# KiCad board oibus-mini-CCC_PANEL.kicad_pcb (continued)
## Routing (per net, layer and track width the routed paths; a pad name or vN(x,y) marks a point on that pad's centre or on a via; arc(x,y) is an arc through that point) (continued)
/SPI_MISO: length 955.9
  Top w0.2: U8#2.27 60.32,38.26 60.7,37.87 v2(60.7,35.31) ; H2#2.8 57.12,14.26 60.1,17.24 60.1,21.22 59.9,21.42 59.9,22.43 v2(61.25,23.78) ; U8#4.27 97.32,38.26 97.7,37.87 v2(97.7,35.31) ; H2#3.8 94.12,14.26 97.1,17.24 97.1,21.22 96.9,21.42 96.9,22.43 v2(98.25,23.78) ; U8#3.27 134.32,38.26 134.7,37.87 v2(134.7,35.31) ; H2#4.8 131.12,14.26 134.1,17.24 134.1,21.22 133.9,21.42 133.9,22.43 v2(135.25,23.78) ; U8#6.27 171.32,38.26 171.7,37.87 v2(171.7,35.31) ; H2#6.8 168.12,14.26 171.1,17.24 171.1,21.22 170.9,21.42 170.9,22.43 v2(172.25,23.78) ; U8#5.27 208.32,38.26 208.7,37.87 v2(208.7,35.31) ; H2#5.8 205.12,14.26 208.1,17.24 208.1,21.22 207.9,21.42 207.9,22.43 v2(209.25,23.78) ; v2(246.25,23.78) 244.9,22.43 244.9,21.42 245.1,21.22 245.1,17.24 242.12,14.26 H2#7.8 ; U8#7.27 245.32,38.26 245.7,37.87 v2(245.7,35.31) ; U8#8.27 282.32,38.26 282.7,37.87 v2(282.7,35.31) ; H2#8.8 279.12,14.26 282.1,17.24 282.1,21.22 281.9,21.42 281.9,22.43 v2(283.25,23.78) ; U8#13.27 97.32,104.26 97.7,103.87 v2(97.7,101.31) ; H2#13.8 94.12,80.26 97.1,83.24 97.1,87.22 96.9,87.42 96.9,88.43 v2(98.25,89.78) ; U8#11.27 23.32,104.26 23.7,103.87 v2(23.7,101.31) ; H2#9.8 20.12,80.26 23.1,83.24 23.1,87.22 22.9,87.42 22.9,88.43 v2(24.25,89.78) ; v2(172.25,89.78) 170.9,88.43 170.9,87.42 171.1,87.22 171.1,83.24 168.12,80.26 H2#10.8 ; U8#12.27 171.32,104.26 171.7,103.87 v2(171.7,101.31) ; U8#9.27 60.32,104.26 60.7,103.87 v2(60.7,101.31) ; H2#12.8 57.12,80.26 60.1,83.24 60.1,87.22 59.9,87.42 59.9,88.43 v2(61.25,89.78) ; U8#10.27 134.32,104.26 134.7,103.87 v2(134.7,101.31) ; H2#11.8 131.12,80.26 134.1,83.24 134.1,87.22 133.9,87.42 133.9,88.43 v2(135.25,89.78) ; U8#15.27 245.32,104.26 245.7,103.87 v2(245.7,101.31) ; H2#15.8 242.12,80.26 245.1,83.24 245.1,87.22 244.9,87.42 244.9,88.43 v2(246.25,89.78) ; U8#14.27 208.32,104.26 208.7,103.87 v2(208.7,101.31) ; H2#14.8 205.12,80.26 208.1,83.24 208.1,87.22 207.9,87.42 207.9,88.43 v2(209.25,89.78) ; U8#16.27 282.32,104.26 282.7,103.87 v2(282.7,101.31) ; H2#16.8 279.12,80.26 282.1,83.24 282.1,87.22 281.9,87.42 281.9,88.43 v2(283.25,89.78) ; U8#25.27 23.32,236.26 23.7,235.87 v2(23.7,233.31) ; H2#23.8 20.12,212.26 23.1,215.24 23.1,219.22 22.9,219.42 22.9,220.43 v2(24.25,221.78) ; v2(172.25,221.78) 170.9,220.43 170.9,219.42 171.1,219.22 171.1,215.24 168.12,212.26 H2#26.8 ; U8#28.27 171.32,236.26 171.7,235.87 v2(171.7,233.31) ; U8#21.27 60.32,236.26 60.7,235.87 v2(60.7,233.31) ; H2#28.8 57.12,212.26 60.1,215.24 60.1,219.22 59.9,219.42 59.9,220.43 v2(61.25,221.78) ; U8#24.27 134.32,236.26 134.7,235.87 v2(134.7,233.31) ; H2#27.8 131.12,212.26 134.1,215.24 134.1,219.22 133.9,219.42 133.9,220.43 v2(135.25,221.78) ; U8#22.27 97.32,170.26 97.7,169.87 v2(97.7,167.31) ; H2#21.8 94.12,146.26 97.1,149.24 97.1,153.22 96.9,153.42 96.9,154.43 v2(98.25,155.78) ; U8#19.27 23.32,170.26 23.7,169.87 v2(23.7,167.31) ; H2#17.8 20.12,146.26 23.1,149.24 23.1,153.22 22.9,153.42 22.9,154.43 v2(24.25,155.78) ; v2(172.25,155.78) 170.9,154.43 170.9,153.42 171.1,153.22 171.1,149.24 168.12,146.26 H2#18.8 ; U8#20.27 171.32,170.26 171.7,169.87 v2(171.7,167.31) ; U8#17.27 60.32,170.26 60.7,169.87 v2(60.7,167.31) ; H2#20.8 57.12,146.26 60.1,149.24 60.1,153.22 59.9,153.42 59.9,154.43 v2(61.25,155.78) ; U8#29.27 97.32,236.26 97.7,235.87 v2(97.7,233.31) ; H2#29.8 94.12,212.26 97.1,215.24 97.1,219.22 96.9,219.42 96.9,220.43 v2(98.25,221.78) ; U8#18.27 134.32,170.26 134.7,169.87 v2(134.7,167.31) ; H2#19.8 131.12,146.26 134.1,149.24 134.1,153.22 133.9,153.42 133.9,154.43 v2(135.25,155.78) ; U8#26.27 245.32,170.26 245.7,169.87 v2(245.7,167.31) ; H2#24.8 242.12,146.26 245.1,149.24 245.1,153.22 244.9,153.42 244.9,154.43 v2(246.25,155.78) ; U8#23.27 208.32,170.26 208.7,169.87 v2(208.7,167.31) ; H2#22.8 205.12,146.26 208.1,149.24 208.1,153.22 207.9,153.42 207.9,154.43 v2(209.25,155.78) ; U8#27.27 282.32,170.26 282.7,169.87 v2(282.7,167.31) ; H2#25.8 279.12,146.26 282.1,149.24 282.1,153.22 281.9,153.42 281.9,154.43 v2(283.25,155.78) ; U8#30.27 208.32,236.26 208.7,235.87 v2(208.7,233.31) ; H2#30.8 205.12,212.26 208.1,215.24 208.1,219.22 207.9,219.42 207.9,220.43 v2(209.25,221.78) ; v2(246.25,221.78) 244.9,220.43 244.9,219.42 245.1,219.22 245.1,215.24 242.12,212.26 H2#31.8 ; U8#31.27 245.32,236.26 245.7,235.87 v2(245.7,233.31) ; U8#32.27 282.32,236.26 282.7,235.87 v2(282.7,233.31) ; H2#32.8 279.12,212.26 282.1,215.24 282.1,219.22 281.9,219.42 281.9,220.43 v2(283.25,221.78) ; v2(23.7,35.31) 23.7,37.87 23.32,38.26 U8.27 ; v2(24.25,23.78) 22.9,22.43 22.9,21.42 23.1,21.22 23.1,17.24 20.12,14.26 H2.8
  Bottom w0.2: v2(60.7,35.31) 61.12,35.31 61.59,34.85 61.59,33.59 60.6,32.61 60.6,25.2 61.25,24.55 v2(61.25,23.78) ; v2(97.7,35.31) 98.12,35.31 98.59,34.85 98.59,33.59 97.6,32.61 97.6,25.2 98.25,24.55 v2(98.25,23.78) ; v2(134.7,35.31) 135.12,35.31 135.59,34.85 135.59,33.59 134.6,32.61 134.6,25.2 135.25,24.55 v2(135.25,23.78) ; v2(171.7,35.31) 172.12,35.31 172.59,34.85 172.59,33.59 171.6,32.61 171.6,25.2 172.25,24.55 v2(172.25,23.78) ; v2(208.7,35.31) 209.12,35.31 209.59,34.85 209.59,33.59 208.6,32.61 208.6,25.2 209.25,24.55 v2(209.25,23.78) ; v2(246.25,23.78) 246.25,24.55 245.6,25.2 245.6,32.61 246.59,33.59 246.59,34.85 246.12,35.31 v2(245.7,35.31) ; v2(282.7,35.31) 283.12,35.31 283.59,34.85 283.59,33.59 282.6,32.61 282.6,25.2 283.25,24.55 v2(283.25,23.78) ; v2(97.7,101.31) 98.12,101.31 98.59,100.85 98.59,99.59 97.6,98.61 97.6,91.2 98.25,90.55 v2(98.25,89.78) ; v2(23.7,101.31) 24.12,101.31 24.59,100.85 24.59,99.59 23.6,98.61 23.6,91.2 24.25,90.55 v2(24.25,89.78) ; v2(172.25,89.78) 172.25,90.55 171.6,91.2 171.6,98.61 172.59,99.59 172.59,100.85 172.12,101.31 v2(171.7,101.31) ; v2(60.7,101.31) 61.12,101.31 61.59,100.85 61.59,99.59 60.6,98.61 60.6,91.2 61.25,90.55 v2(61.25,89.78) ; v2(134.7,101.31) 135.12,101.31 135.59,100.85 135.59,99.59 134.6,98.61 134.6,91.2 135.25,90.55 v2(135.25,89.78) ; v2(246.25,89.78) 246.25,90.55 245.6,91.2 245.6,98.61 246.59,99.59 246.59,100.85 246.12,101.31 v2(245.7,101.31) ; v2(208.7,101.31) 209.12,101.31 209.59,100.85 209.59,99.59 208.6,98.61 208.6,91.2 209.25,90.55 v2(209.25,89.78) ; v2(282.7,101.31) 283.12,101.31 283.59,100.85 283.59,99.59 282.6,98.61 282.6,91.2 283.25,90.55 v2(283.25,89.78) ; v2(23.7,233.31) 24.12,233.31 24.59,232.85 24.59,231.59 23.6,230.61 23.6,223.2 24.25,222.55 v2(24.25,221.78) ; v2(172.25,221.78) 172.25,222.55 171.6,223.2 171.6,230.61 172.59,231.59 172.59,232.85 172.12,233.31 v2(171.7,233.31) ; v2(60.7,233.31) 61.12,233.31 61.59,232.85 61.59,231.59 60.6,230.61 60.6,223.2 61.25,222.55 v2(61.25,221.78) ; v2(134.7,233.31) 135.12,233.31 135.59,232.85 135.59,231.59 134.6,230.61 134.6,223.2 135.25,222.55 v2(135.25,221.78) ; v2(97.7,167.31) 98.12,167.31 98.59,166.85 98.59,165.59 97.6,164.61 97.6,157.2 98.25,156.55 v2(98.25,155.78) ; v2(23.7,167.31) 24.12,167.31 24.59,166.85 24.59,165.59 23.6,164.61 23.6,157.2 24.25,156.55 v2(24.25,155.78) ; v2(172.25,155.78) 172.25,156.55 171.6,157.2 171.6,164.61 172.59,165.59 172.59,166.85 172.12,167.31 v2(171.7,167.31) ; v2(60.7,167.31) 61.12,167.31 61.59,166.85 61.59,165.59 60.6,164.61 60.6,157.2 61.25,156.55 v2(61.25,155.78) ; v2(97.7,233.31) 98.12,233.31 98.59,232.85 98.59,231.59 97.6,230.61 97.6,223.2 98.25,222.55 v2(98.25,221.78) ; v2(134.7,167.31) 135.12,167.31 135.59,166.85 135.59,165.59 134.6,164.61 134.6,157.2 135.25,156.55 v2(135.25,155.78) ; v2(246.25,155.78) 246.25,156.55 245.6,157.2 245.6,164.61 246.59,165.59 246.59,166.85 246.12,167.31 v2(245.7,167.31) ; v2(208.7,167.31) 209.12,167.31 209.59,166.85 209.59,165.59 208.6,164.61 208.6,157.2 209.25,156.55 v2(209.25,155.78) ; v2(282.7,167.31) 283.12,167.31 283.59,166.85 283.59,165.59 282.6,164.61 282.6,157.2 283.25,156.55 v2(283.25,155.78) ; v2(208.7,233.31) 209.12,233.31 209.59,232.85 209.59,231.59 208.6,230.61 208.6,223.2 209.25,222.55 v2(209.25,221.78) ; v2(246.25,221.78) 246.25,222.55 245.6,223.2 245.6,230.61 246.59,231.59 246.59,232.85 246.12,233.31 v2(245.7,233.31) ; v2(282.7,233.31) 283.12,233.31 283.59,232.85 283.59,231.59 282.6,230.61 282.6,223.2 283.25,222.55 v2(283.25,221.78) ; v2(24.25,23.78) 24.25,24.55 23.6,25.2 23.6,32.61 24.59,33.59 24.59,34.85 24.12,35.31 v2(23.7,35.31)
/SPI_MOSI: length 985
  Top w0.2: H2#2.7 58.27,11.66 58.27,14.84 60.5,17.07 v2(60.5,21.71) ; U8#2.28 59.82,37.76 60.1,37.47 60.1,34.76 v2(60.22,34.64) ; H2#3.7 95.27,11.66 95.27,14.84 97.5,17.07 v2(97.5,21.71) ; U8#4.28 96.82,37.76 97.1,37.47 97.1,34.76 v2(97.22,34.64) ; H2#4.7 132.27,11.66 132.27,14.84 134.5,17.07 v2(134.5,21.71) ; U8#3.28 133.82,37.76 134.1,37.47 134.1,34.76 v2(134.22,34.64) ; H2#6.7 169.27,11.66 169.27,14.84 171.5,17.07 v2(171.5,21.71) ; U8#6.28 170.82,37.76 171.1,37.47 171.1,34.76 v2(171.22,34.64) ; H2#5.7 206.27,11.66 206.27,14.84 208.5,17.07 v2(208.5,21.71) ; U8#5.28 207.82,37.76 208.1,37.47 208.1,34.76 v2(208.22,34.64) ; v2(245.22,34.64) 245.1,34.76 245.1,37.47 244.82,37.76 U8#7.28 ; v2(245.5,21.71) 245.5,17.07 243.27,14.84 243.27,11.66 H2#7.7 ; H2#8.7 280.27,11.66 280.27,14.84 282.5,17.07 v2(282.5,21.71) ; U8#8.28 281.82,37.76 282.1,37.47 282.1,34.76 v2(282.22,34.64) ; H2#13.7 95.27,77.66 95.27,80.84 97.5,83.07 v2(97.5,87.71) ; U8#13.28 96.82,103.76 97.1,103.47 97.1,100.76 v2(97.22,100.64) ; H2#9.7 21.27,77.66 21.27,80.84 23.5,83.07 v2(23.5,87.71) ; U8#11.28 22.82,103.76 23.1,103.47 23.1,100.76 v2(23.22,100.64) ; v2(171.22,100.64) 171.1,100.76 171.1,103.47 170.82,103.76 U8#12.28 ; v2(171.5,87.71) 171.5,83.07 169.27,80.84 169.27,77.66 H2#10.7 ; H2#12.7 58.27,77.66 58.27,80.84 60.5,83.07 v2(60.5,87.71) ; U8#9.28 59.82,103.76 60.1,103.47 60.1,100.76 v2(60.22,100.64) ; H2#11.7 132.27,77.66 132.27,80.84 134.5,83.07 v2(134.5,87.71) ; U8#10.28 133.82,103.76 134.1,103.47 134.1,100.76 v2(134.22,100.64) ; v2(245.22,100.64) 245.1,100.76 245.1,103.47 244.82,103.76 U8#15.28 ; v2(245.5,87.71) 245.5,83.07 243.27,80.84 243.27,77.66 H2#15.7 ; H2#14.7 206.27,77.66 206.27,80.84 208.5,83.07 v2(208.5,87.71) ; U8#14.28 207.82,103.76 208.1,103.47 208.1,100.76 v2(208.22,100.64) ; v2(282.22,100.64) 282.1,100.76 282.1,103.47 281.82,103.76 U8#16.28 ; H2#16.7 280.27,77.66 280.27,80.84 282.5,83.07 v2(282.5,87.71) ; v2(97.22,232.64) 97.1,232.76 97.1,235.47 96.82,235.76 U8#29.28 ; H2#23.7 21.27,209.66 21.27,212.84 23.5,215.07 v2(23.5,219.71) ; U8#25.28 22.82,235.76 23.1,235.47 23.1,232.76 v2(23.22,232.64) ; v2(171.22,232.64) 171.1,232.76 171.1,235.47 170.82,235.76 U8#28.28 ; v2(171.5,219.71) 171.5,215.07 169.27,212.84 169.27,209.66 H2#26.7 ; H2#28.7 58.27,209.66 58.27,212.84 60.5,215.07 v2(60.5,219.71) ; U8#21.28 59.82,235.76 60.1,235.47 60.1,232.76 v2(60.22,232.64) ; H2#27.7 132.27,209.66 132.27,212.84 134.5,215.07 v2(134.5,219.71) ; U8#24.28 133.82,235.76 134.1,235.47 134.1,232.76 v2(134.22,232.64) ; H2#21.7 95.27,143.66 95.27,146.84 97.5,149.07 v2(97.5,153.71) ; U8#22.28 96.82,169.76 97.1,169.47 97.1,166.76 v2(97.22,166.64) ; H2#17.7 21.27,143.66 21.27,146.84 23.5,149.07 v2(23.5,153.71) ; U8#19.28 22.82,169.76 23.1,169.47 23.1,166.76 v2(23.22,166.64) ; v2(171.22,166.64) 171.1,166.76 171.1,169.47 170.82,169.76 U8#20.28 ; v2(171.5,153.71) 171.5,149.07 169.27,146.84 169.27,143.66 H2#18.7 ; H2#20.7 58.27,143.66 58.27,146.84 60.5,149.07 v2(60.5,153.71) ; U8#17.28 59.82,169.76 60.1,169.47 60.1,166.76 v2(60.22,166.64) ; H2#29.7 95.27,209.66 95.27,212.84 97.5,215.07 v2(97.5,219.71) ; H2#19.7 132.27,143.66 132.27,146.84 134.5,149.07 v2(134.5,153.71) ; U8#18.28 133.82,169.76 134.1,169.47 134.1,166.76 v2(134.22,166.64) ; v2(245.22,166.64) 245.1,166.76 245.1,169.47 244.82,169.76 U8#26.28 ; v2(245.5,153.71) 245.5,149.07 243.27,146.84 243.27,143.66 H2#24.7 ; H2#22.7 206.27,143.66 206.27,146.84 208.5,149.07 v2(208.5,153.71) ; U8#23.28 207.82,169.76 208.1,169.47 208.1,166.76 v2(208.22,166.64) ; v2(282.22,166.64) 282.1,166.76 282.1,169.47 281.82,169.76 U8#27.28 ; H2#25.7 280.27,143.66 280.27,146.84 282.5,149.07 v2(282.5,153.71) ; H2#30.7 206.27,209.66 206.27,212.84 208.5,215.07 v2(208.5,219.71) ; U8#30.28 207.82,235.76 208.1,235.47 208.1,232.76 v2(208.22,232.64) ; v2(245.22,232.64) 245.1,232.76 245.1,235.47 244.82,235.76 U8#31.28 ; v2(245.5,219.71) 245.5,215.07 243.27,212.84 243.27,209.66 H2#31.7 ; H2#32.7 280.27,209.66 280.27,212.84 282.5,215.07 v2(282.5,219.71) ; U8#32.28 281.82,235.76 282.1,235.47 282.1,232.76 v2(282.22,232.64) ; v2(23.22,34.64) 23.1,34.76 23.1,37.47 22.82,37.76 U8.28 ; v2(23.5,21.71) 23.5,17.07 21.27,14.84 21.27,11.66 H2.7
  Bottom w0.2: v2(60.22,34.64) 60.22,33.39 59.8,32.97 59.8,27.01 59,26.21 59,25.63 59.1,25.53 59.1,24.44 60.5,23.04 v2(60.5,21.71) ; v2(97.22,34.64) 97.22,33.39 96.8,32.97 96.8,27.01 96,26.21 96,25.63 96.1,25.53 96.1,24.44 97.5,23.04 v2(97.5,21.71) ; v2(134.22,34.64) 134.22,33.39 133.8,32.97 133.8,27.01 133,26.21 133,25.63 133.1,25.53 133.1,24.44 134.5,23.04 v2(134.5,21.71) ; v2(171.22,34.64) 171.22,33.39 170.8,32.97 170.8,27.01 170,26.21 170,25.63 170.1,25.53 170.1,24.44 171.5,23.04 v2(171.5,21.71) ; v2(208.22,34.64) 208.22,33.39 207.8,32.97 207.8,27.01 207,26.21 207,25.63 207.1,25.53 207.1,24.44 208.5,23.04 v2(208.5,21.71) ; v2(245.22,34.64) 245.22,33.39 244.8,32.97 244.8,27.01 244,26.21 244,25.63 244.1,25.53 244.1,24.44 245.5,23.04 v2(245.5,21.71) ; v2(282.22,34.64) 282.22,33.39 281.8,32.97 281.8,27.01 281,26.21 281,25.63 281.1,25.53 281.1,24.44 282.5,23.04 v2(282.5,21.71) ; v2(97.22,100.64) 97.22,99.39 96.8,98.97 96.8,93.01 96,92.21 96,91.63 96.1,91.53 96.1,90.44 97.5,89.04 v2(97.5,87.71) ; v2(23.22,100.64) 23.22,99.39 22.8,98.97 22.8,93.01 22,92.21 22,91.63 22.1,91.53 22.1,90.44 23.5,89.04 v2(23.5,87.71) ; v2(171.22,100.64) 171.22,99.39 170.8,98.97 170.8,93.01 170,92.21 170,91.63 170.1,91.53 170.1,90.44 171.5,89.04 v2(171.5,87.71) ; v2(60.22,100.64) 60.22,99.39 59.8,98.97 59.8,93.01 59,92.21 59,91.63 59.1,91.53 59.1,90.44 60.5,89.04 v2(60.5,87.71) ; v2(134.22,100.64) 134.22,99.39 133.8,98.97 133.8,93.01 133,92.21 133,91.63 133.1,91.53 133.1,90.44 134.5,89.04 v2(134.5,87.71) ; v2(245.22,100.64) 245.22,99.39 244.8,98.97 244.8,93.01 244,92.21 244,91.63 244.1,91.53 244.1,90.44 245.5,89.04 v2(245.5,87.71) ; v2(208.22,100.64) 208.22,99.39 207.8,98.97 207.8,93.01 207,92.21 207,91.63 207.1,91.53 207.1,90.44 208.5,89.04 v2(208.5,87.71) ; v2(282.22,100.64) 282.22,99.39 281.8,98.97 281.8,93.01 281,92.21 281,91.63 281.1,91.53 281.1,90.44 282.5,89.04 v2(282.5,87.71) ; v2(23.22,232.64) 23.22,231.39 22.8,230.97 22.8,225.01 22,224.21 22,223.63 22.1,223.53 22.1,222.44 23.5,221.04 v2(23.5,219.71) ; v2(171.22,232.64) 171.22,231.39 170.8,230.97 170.8,225.01 170,224.21 170,223.63 170.1,223.53 170.1,222.44 171.5,221.04 v2(171.5,219.71) ; v2(60.22,232.64) 60.22,231.39 59.8,230.97 59.8,225.01 59,224.21 59,223.63 59.1,223.53 59.1,222.44 60.5,221.04 v2(60.5,219.71) ; v2(134.22,232.64) 134.22,231.39 133.8,230.97 133.8,225.01 133,224.21 133,223.63 133.1,223.53 133.1,222.44 134.5,221.04 v2(134.5,219.71) ; v2(97.22,166.64) 97.22,165.39 96.8,164.97 96.8,159.01 96,158.21 96,157.63 96.1,157.53 96.1,156.44 97.5,155.04 v2(97.5,153.71) ; v2(23.22,166.64) 23.22,165.39 22.8,164.97 22.8,159.01 22,158.21 22,157.63 22.1,157.53 22.1,156.44 23.5,155.04 v2(23.5,153.71) ; v2(171.22,166.64) 171.22,165.39 170.8,164.97 170.8,159.01 170,158.21 170,157.63 170.1,157.53 170.1,156.44 171.5,155.04 v2(171.5,153.71) ; v2(60.22,166.64) 60.22,165.39 59.8,164.97 59.8,159.01 59,158.21 59,157.63 59.1,157.53 59.1,156.44 60.5,155.04 v2(60.5,153.71) ; v2(134.22,166.64) 134.22,165.39 133.8,164.97 133.8,159.01 133,158.21 133,157.63 133.1,157.53 133.1,156.44 134.5,155.04 v2(134.5,153.71) ; v2(97.22,232.64) 97.22,231.39 96.8,230.97 96.8,225.01 96,224.21 96,223.63 96.1,223.53 96.1,222.44 97.5,221.04 v2(97.5,219.71) ; v2(245.22,166.64) 245.22,165.39 244.8,164.97 244.8,159.01 244,158.21 244,157.63 244.1,157.53 244.1,156.44 245.5,155.04 v2(245.5,153.71) ; v2(208.22,166.64) 208.22,165.39 207.8,164.97 207.8,159.01 207,158.21 207,157.63 207.1,157.53 207.1,156.44 208.5,155.04 v2(208.5,153.71) ; v2(282.22,166.64) 282.22,165.39 281.8,164.97 281.8,159.01 281,158.21 281,157.63 281.1,157.53 281.1,156.44 282.5,155.04 v2(282.5,153.71) ; v2(208.22,232.64) 208.22,231.39 207.8,230.97 207.8,225.01 207,224.21 207,223.63 207.1,223.53 207.1,222.44 208.5,221.04 v2(208.5,219.71) ; v2(245.22,232.64) 245.22,231.39 244.8,230.97 244.8,225.01 244,224.21 244,223.63 244.1,223.53 244.1,222.44 245.5,221.04 v2(245.5,219.71) ; v2(282.22,232.64) 282.22,231.39 281.8,230.97 281.8,225.01 281,224.21 281,223.63 281.1,223.53 281.1,222.44 282.5,221.04 v2(282.5,219.71) ; v2(23.5,21.71) 23.5,23.04 22.1,24.44 22.1,25.53 22,25.63 22,26.21 22.8,27.01 22.8,32.97 23.22,33.39 v2(23.22,34.64)
/SPI_SCK: length 1022.6
  Top w0.2: H2#2.9 60.81,11.66 60.81,16.25 61.7,17.14 v2(61.7,22.41) ; v2(60.99,34.41) 61.3,34.72 61.3,37.84 60.38,38.76 U8#2.26 ; H2#3.9 97.81,11.66 97.81,16.25 98.7,17.14 v2(98.7,22.41) ; v2(97.99,34.41) 98.3,34.72 98.3,37.84 97.38,38.76 U8#4.26 ; H2#4.9 134.81,11.66 134.81,16.25 135.7,17.14 v2(135.7,22.41) ; v2(134.99,34.41) 135.3,34.72 135.3,37.84 134.38,38.76 U8#3.26 ; v2(172.7,22.41) 172.7,17.14 171.81,16.25 171.81,11.66 H2#6.9 ; v2(171.99,34.41) 172.3,34.72 172.3,37.84 171.38,38.76 U8#6.26 ; v2(209.7,22.41) 209.7,17.14 208.81,16.25 208.81,11.66 H2#5.9 ; v2(208.99,34.41) 209.3,34.72 209.3,37.84 208.38,38.76 U8#5.26 ; U8#7.26 245.38,38.76 246.3,37.84 246.3,34.72 v2(245.99,34.41) ; v2(246.7,22.41) 246.7,17.14 245.81,16.25 245.81,11.66 H2#7.9 ; H2#8.9 282.81,11.66 282.81,16.25 283.7,17.14 v2(283.7,22.41) ; v2(282.99,34.41) 283.3,34.72 283.3,37.84 282.38,38.76 U8#8.26 ; v2(98.7,88.41) 98.7,83.14 97.81,82.25 97.81,77.66 H2#13.9 ; v2(97.99,100.41) 98.3,100.72 98.3,103.84 97.38,104.76 U8#13.26 ; U8#15.26 245.38,104.76 246.3,103.84 246.3,100.72 v2(245.99,100.41) ; H2#9.9 23.81,77.66 23.81,82.25 24.7,83.14 v2(24.7,88.41) ; v2(23.99,100.41) 24.3,100.72 24.3,103.84 23.38,104.76 U8#11.26 ; U8#12.26 171.38,104.76 172.3,103.84 172.3,100.72 v2(171.99,100.41) ; v2(172.7,88.41) 172.7,83.14 171.81,82.25 171.81,77.66 H2#10.9 ; H2#12.9 60.81,77.66 60.81,82.25 61.7,83.14 v2(61.7,88.41) ; v2(60.99,100.41) 61.3,100.72 61.3,103.84 60.38,104.76 U8#9.26 ; v2(135.7,88.41) 135.7,83.14 134.81,82.25 134.81,77.66 H2#11.9 ; v2(134.99,100.41) 135.3,100.72 135.3,103.84 134.38,104.76 U8#10.26 ; v2(246.7,88.41) 246.7,83.14 245.81,82.25 245.81,77.66 H2#15.9 ; H2#14.9 208.81,77.66 208.81,82.25 209.7,83.14 v2(209.7,88.41) ; v2(208.99,100.41) 209.3,100.72 209.3,103.84 208.38,104.76 U8#14.26 ; H2#16.9 282.81,77.66 282.81,82.25 283.7,83.14 v2(283.7,88.41) ; v2(282.99,100.41) 283.3,100.72 283.3,103.84 282.38,104.76 U8#16.26 ; U8#31.26 245.38,236.76 246.3,235.84 246.3,232.72 v2(245.99,232.41) ; H2#23.9 23.81,209.66 23.81,214.25 24.7,215.14 v2(24.7,220.41) ; v2(23.99,232.41) 24.3,232.72 24.3,235.84 23.38,236.76 U8#25.26 ; H2#29.9 97.81,209.66 97.81,214.25 98.7,215.14 v2(98.7,220.41) ; U8#28.26 171.38,236.76 172.3,235.84 172.3,232.72 v2(171.99,232.41) ; v2(172.7,220.41) 172.7,215.14 171.81,214.25 171.81,209.66 H2#26.9 ; U8#21.26 60.38,236.76 61.3,235.84 61.3,232.72 v2(60.99,232.41) ; H2#28.9 60.81,209.66 60.81,214.25 61.7,215.14 v2(61.7,220.41) ; v2(135.7,220.41) 135.7,215.14 134.81,214.25 134.81,209.66 H2#27.9 ; v2(134.99,232.41) 135.3,232.72 135.3,235.84 134.38,236.76 U8#24.26 ; v2(98.7,154.41) 98.7,149.14 97.81,148.25 97.81,143.66 H2#21.9 ; v2(97.99,166.41) 98.3,166.72 98.3,169.84 97.38,170.76 U8#22.26 ; U8#26.26 245.38,170.76 246.3,169.84 246.3,166.72 v2(245.99,166.41) ; H2#17.9 23.81,143.66 23.81,148.25 24.7,149.14 v2(24.7,154.41) ; v2(23.99,166.41) 24.3,166.72 24.3,169.84 23.38,170.76 U8#19.26 ; U8#20.26 171.38,170.76 172.3,169.84 172.3,166.72 v2(171.99,166.41) ; v2(172.7,154.41) 172.7,149.14 171.81,148.25 171.81,143.66 H2#18.9 ; H2#20.9 60.81,143.66 60.81,148.25 61.7,149.14 v2(61.7,154.41) ; v2(60.99,166.41) 61.3,166.72 61.3,169.84 60.38,170.76 U8#17.26 ; U8#29.26 97.38,236.76 98.3,235.84 98.3,232.72 v2(97.99,232.41) ; v2(135.7,154.41) 135.7,149.14 134.81,148.25 134.81,143.66 H2#19.9 ; v2(134.99,166.41) 135.3,166.72 135.3,169.84 134.38,170.76 U8#18.26 ; v2(246.7,154.41) 246.7,149.14 245.81,148.25 245.81,143.66 H2#24.9 ; H2#22.9 208.81,143.66 208.81,148.25 209.7,149.14 v2(209.7,154.41) ; v2(208.99,166.41) 209.3,166.72 209.3,169.84 208.38,170.76 U8#23.26 ; H2#25.9 282.81,143.66 282.81,148.25 283.7,149.14 v2(283.7,154.41) ; v2(282.99,166.41) 283.3,166.72 283.3,169.84 282.38,170.76 U8#27.26 ; H2#30.9 208.81,209.66 208.81,214.25 209.7,215.14 v2(209.7,220.41) ; v2(208.99,232.41) 209.3,232.72 209.3,235.84 208.38,236.76 U8#30.26 ; v2(246.7,220.41) 246.7,215.14 245.81,214.25 245.81,209.66 H2#31.9 ; v2(283.7,220.41) 283.7,215.14 282.81,214.25 282.81,209.66 H2#32.9 ; v2(282.99,232.41) 283.3,232.72 283.3,235.84 282.38,236.76 U8#32.26 ; H2.9 23.81,11.66 23.81,16.25 24.7,17.14 v2(24.7,22.41) ; U8.26 23.38,38.76 24.3,37.84 24.3,34.72 v2(23.99,34.41)
  Bottom w0.2: v2(60.99,34.41) 60.99,33.56 60.2,32.77 60.2,25.04 60.6,24.64 60.6,23.51 v2(61.7,22.41) ; v2(97.99,34.41) 97.99,33.56 97.2,32.77 97.2,25.04 97.6,24.64 97.6,23.51 v2(98.7,22.41) ; v2(134.99,34.41) 134.99,33.56 134.2,32.77 134.2,25.04 134.6,24.64 134.6,23.51 v2(135.7,22.41) ; v2(171.99,34.41) 171.99,33.56 171.2,32.77 171.2,25.04 171.6,24.64 171.6,23.51 v2(172.7,22.41) ; v2(208.99,34.41) 208.99,33.56 208.2,32.77 208.2,25.04 208.6,24.64 208.6,23.51 v2(209.7,22.41) ; v2(246.7,22.41) 245.6,23.51 245.6,24.64 245.2,25.04 245.2,32.77 245.99,33.56 v2(245.99,34.41) ; v2(282.99,34.41) 282.99,33.56 282.2,32.77 282.2,25.04 282.6,24.64 282.6,23.51 v2(283.7,22.41) ; v2(97.99,100.41) 97.99,99.56 97.2,98.77 97.2,91.04 97.6,90.64 97.6,89.51 v2(98.7,88.41) ; v2(246.7,88.41) 245.6,89.51 245.6,90.64 245.2,91.04 245.2,98.77 245.99,99.56 v2(245.99,100.41) ; v2(23.99,100.41) 23.99,99.56 23.2,98.77 23.2,91.04 23.6,90.64 23.6,89.51 v2(24.7,88.41) ; v2(172.7,88.41) 171.6,89.51 171.6,90.64 171.2,91.04 171.2,98.77 171.99,99.56 v2(171.99,100.41) ; v2(60.99,100.41) 60.99,99.56 60.2,98.77 60.2,91.04 60.6,90.64 60.6,89.51 v2(61.7,88.41) ; v2(134.99,100.41) 134.99,99.56 134.2,98.77 134.2,91.04 134.6,90.64 134.6,89.51 v2(135.7,88.41) ; v2(208.99,100.41) 208.99,99.56 208.2,98.77 208.2,91.04 208.6,90.64 208.6,89.51 v2(209.7,88.41) ; v2(282.99,100.41) 282.99,99.56 282.2,98.77 282.2,91.04 282.6,90.64 282.6,89.51 v2(283.7,88.41) ; v2(246.7,220.41) 245.6,221.51 245.6,222.64 245.2,223.04 245.2,230.77 245.99,231.56 v2(245.99,232.41) ; v2(23.99,232.41) 23.99,231.56 23.2,230.77 23.2,223.04 23.6,222.64 23.6,221.51 v2(24.7,220.41) ; v2(172.7,220.41) 171.6,221.51 171.6,222.64 171.2,223.04 171.2,230.77 171.99,231.56 v2(171.99,232.41) ; v2(60.99,232.41) 60.99,231.56 60.2,230.77 60.2,223.04 60.6,222.64 60.6,221.51 v2(61.7,220.41) ; v2(134.99,232.41) 134.99,231.56 134.2,230.77 134.2,223.04 134.6,222.64 134.6,221.51 v2(135.7,220.41) ; v2(97.99,166.41) 97.99,165.56 97.2,164.77 97.2,157.04 97.6,156.64 97.6,155.51 v2(98.7,154.41) ; v2(246.7,154.41) 245.6,155.51 245.6,156.64 245.2,157.04 245.2,164.77 245.99,165.56 v2(245.99,166.41) ; v2(23.99,166.41) 23.99,165.56 23.2,164.77 23.2,157.04 23.6,156.64 23.6,155.51 v2(24.7,154.41) ; v2(172.7,154.41) 171.6,155.51 171.6,156.64 171.2,157.04 171.2,164.77 171.99,165.56 v2(171.99,166.41) ; v2(60.99,166.41) 60.99,165.56 60.2,164.77 60.2,157.04 60.6,156.64 60.6,155.51 v2(61.7,154.41) ; v2(97.99,232.41) 97.99,231.56 97.2,230.77 97.2,223.04 97.6,222.64 97.6,221.51 v2(98.7,220.41) ; v2(134.99,166.41) 134.99,165.56 134.2,164.77 134.2,157.04 134.6,156.64 134.6,155.51 v2(135.7,154.41) ; v2(208.99,166.41) 208.99,165.56 208.2,164.77 208.2,157.04 208.6,156.64 208.6,155.51 v2(209.7,154.41) ; v2(282.99,166.41) 282.99,165.56 282.2,164.77 282.2,157.04 282.6,156.64 282.6,155.51 v2(283.7,154.41) ; v2(208.99,232.41) 208.99,231.56 208.2,230.77 208.2,223.04 208.6,222.64 208.6,221.51 v2(209.7,220.41) ; v2(282.99,232.41) 282.99,231.56 282.2,230.77 282.2,223.04 282.6,222.64 282.6,221.51 v2(283.7,220.41) ; v2(24.7,22.41) 23.6,23.51 23.6,24.64 23.2,25.04 23.2,32.77 23.99,33.56 v2(23.99,34.41)
/SPS_TX_EXT: length 559.7
  Top w0.2: J1#2.2 45,53.01 45.9,53.91 49.51,53.91 R22#2.1 ; J1#3.2 82,53.01 82.9,53.91 86.51,53.91 R22#3.1 ; J1#4.2 119,53.01 119.9,53.91 123.51,53.91 R22#4.1 ; J1#5.2 156,53.01 156.9,53.91 160.51,53.91 R22#5.1 ; J1#6.2 193,53.01 193.9,53.91 197.51,53.91 R22#6.1 ; J1#8.2 230,53.01 230.9,53.91 234.51,53.91 R22#8.1 ; J1#7.2 267,53.01 267.9,53.91 271.51,53.91 R22#7.1 ; J1#9.2 8,119.01 8.9,119.91 12.51,119.91 R22#9.1 ; J1#11.2 82,119.01 82.9,119.91 86.51,119.91 R22#11.1 ; J1#13.2 45,119.01 45.9,119.91 49.51,119.91 R22#13.1 ; J1#12.2 119,119.01 119.9,119.91 123.51,119.91 R22#12.1 ; J1#14.2 156,119.01 156.9,119.91 160.51,119.91 R22#14.1 ; J1#10.2 193,119.01 193.9,119.91 197.51,119.91 R22#10.1 ; J1#16.2 230,119.01 230.9,119.91 234.51,119.91 R22#16.1 ; J1#15.2 267,119.01 267.9,119.91 271.51,119.91 R22#15.1 ; J1#24.2 8,251.01 8.9,251.91 12.51,251.91 R22#23.1 ; J1#27.2 82,251.01 82.9,251.91 86.51,251.91 R22#27.1 ; J1#29.2 45,251.01 45.9,251.91 49.51,251.91 R22#29.1 ; J1#28.2 119,251.01 119.9,251.91 123.51,251.91 R22#28.1 ; J1#30.2 156,251.01 156.9,251.91 160.51,251.91 R22#30.1 ; J1#17.2 8,185.01 8.9,185.91 12.51,185.91 R22#17.1 ; J1#19.2 82,185.01 82.9,185.91 86.51,185.91 R22#19.1 ; J1#21.2 45,185.01 45.9,185.91 49.51,185.91 R22#21.1 ; J1#20.2 119,185.01 119.9,185.91 123.51,185.91 R22#20.1 ; J1#22.2 156,185.01 156.9,185.91 160.51,185.91 R22#22.1 ; J1#18.2 193,185.01 193.9,185.91 197.51,185.91 R22#18.1 ; J1#25.2 230,185.01 230.9,185.91 234.51,185.91 R22#25.1 ; J1#23.2 267,185.01 267.9,185.91 271.51,185.91 R22#24.1 ; J1#26.2 193,251.01 193.9,251.91 197.51,251.91 R22#26.1 ; J1#32.2 230,251.01 230.9,251.91 234.51,251.91 R22#32.1 ; J1#31.2 267,251.01 267.9,251.91 271.51,251.91 R22#31.1 ; J1.2 8,53.01 8.9,53.91 12.51,53.91 R22.1
  Bottom w0.2: 49.4,57.32 49.01,57.32 45,53.31 J1#2.2 ; 86.4,57.32 86.01,57.32 82,53.31 J1#3.2 ; 123.4,57.32 123.01,57.32 119,53.31 J1#4.2 ; 160.4,57.32 160.01,57.32 156,53.31 J1#5.2 ; 197.4,57.32 197.01,57.32 193,53.31 J1#6.2 ; 234.4,57.32 234.01,57.32 230,53.31 J1#8.2 ; 271.4,57.32 271.01,57.32 267,53.31 J1#7.2 ; 12.4,123.32 12.01,123.32 8,119.31 J1#9.2 ; 86.4,123.32 86.01,123.32 82,119.31 J1#11.2 ; 49.4,123.32 49.01,123.32 45,119.31 J1#13.2 ; 123.4,123.32 123.01,123.32 119,119.31 J1#12.2 ; 160.4,123.32 160.01,123.32 156,119.31 J1#14.2 ; 197.4,123.32 197.01,123.32 193,119.31 J1#10.2 ; 234.4,123.32 234.01,123.32 230,119.31 J1#16.2 ; 271.4,123.32 271.01,123.32 267,119.31 J1#15.2 ; 12.4,255.32 12.01,255.32 8,251.31 J1#24.2 ; 86.4,255.32 86.01,255.32 82,251.31 J1#27.2 ; 49.4,255.32 49.01,255.32 45,251.31 J1#29.2 ; 123.4,255.32 123.01,255.32 119,251.31 J1#28.2 ; 160.4,255.32 160.01,255.32 156,251.31 J1#30.2 ; 12.4,189.32 12.01,189.32 8,185.31 J1#17.2 ; 86.4,189.32 86.01,189.32 82,185.31 J1#19.2 ; 49.4,189.32 49.01,189.32 45,185.31 J1#21.2 ; 123.4,189.32 123.01,189.32 119,185.31 J1#20.2 ; 160.4,189.32 160.01,189.32 156,185.31 J1#22.2 ; 197.4,189.32 197.01,189.32 193,185.31 J1#18.2 ; 234.4,189.32 234.01,189.32 230,185.31 J1#25.2 ; 271.4,189.32 271.01,189.32 267,185.31 J1#23.2 ; 197.4,255.32 197.01,255.32 193,251.31 J1#26.2 ; 234.4,255.32 234.01,255.32 230,251.31 J1#32.2 ; 271.4,255.32 271.01,255.32 267,251.31 J1#31.2 ; J1.2 8,53.31 12.01,57.32 12.4,57.32
/SWDCLK: length 308.5
  Top w0.2: v2(58.4,28.01) 60.39,30 U8#2.37 ; v2(56,26.01) 55.8,26.21 P1#2.5 ; v2(95.4,28.01) 97.39,30 U8#4.37 ; v2(93,26.01) 92.8,26.21 P1#4.5 ; v2(132.4,28.01) 134.39,30 U8#3.37 ; v2(130,26.01) 129.8,26.21 P1#3.5 ; v2(169.4,28.01) 171.39,30 U8#6.37 ; v2(167,26.01) 166.8,26.21 P1#6.5 ; v2(206.4,28.01) 208.39,30 U8#5.37 ; v2(204,26.01) 203.8,26.21 P1#5.5 ; v2(243.4,28.01) 245.39,30 U8#7.37 ; v2(241,26.01) 240.8,26.21 P1#8.5 ; v2(280.4,28.01) 282.39,30 U8#8.37 ; v2(278,26.01) 277.8,26.21 P1#7.5 ; v2(21.4,94.01) 23.39,96 U8#11.37 ; v2(19,92.01) 18.8,92.21 P1#10.5 ; v2(95.4,94.01) 97.39,96 U8#13.37 ; v2(93,92.01) 92.8,92.21 P1#14.5 ; v2(58.4,94.01) 60.39,96 U8#9.37 ; v2(56,92.01) 55.8,92.21 P1#9.5 ; v2(132.4,94.01) 134.39,96 U8#10.37 ; v2(130,92.01) 129.8,92.21 P1#13.5 ; v2(169.4,94.01) 171.39,96 U8#12.37 ; v2(167,92.01) 166.8,92.21 P1#12.5 ; v2(206.4,94.01) 208.39,96 U8#14.37 ; v2(204,92.01) 203.8,92.21 P1#11.5 ; v2(280.4,94.01) 282.39,96 U8#16.37 ; v2(278,92.01) 277.8,92.21 P1#15.5 ; v2(243.4,94.01) 245.39,96 U8#15.37 ; v2(241,92.01) 240.8,92.21 P1#16.5 ; v2(21.4,226.01) 23.39,228 U8#25.37 ; v2(19,224.01) 18.8,224.21 P1#24.5 ; v2(95.4,226.01) 97.39,228 U8#29.37 ; v2(93,224.01) 92.8,224.21 P1#30.5 ; v2(58.4,226.01) 60.39,228 U8#21.37 ; v2(56,224.01) 55.8,224.21 P1#23.5 ; v2(132.4,226.01) 134.39,228 U8#24.37 ; v2(130,224.01) 129.8,224.21 P1#29.5 ; v2(169.4,226.01) 171.39,228 U8#28.37 ; v2(167,224.01) 166.8,224.21 P1#28.5 ; v2(21.4,160.01) 23.39,162 U8#19.37 ; v2(19,158.01) 18.8,158.21 P1#18.5 ; v2(95.4,160.01) 97.39,162 U8#22.37 ; v2(93,158.01) 92.8,158.21 P1#22.5 ; v2(58.4,160.01) 60.39,162 U8#17.37 ; v2(56,158.01) 55.8,158.21 P1#17.5 ; v2(132.4,160.01) 134.39,162 U8#18.37 ; v2(130,158.01) 129.8,158.21 P1#21.5 ; v2(169.4,160.01) 171.39,162 U8#20.37 ; v2(167,158.01) 166.8,158.21 P1#20.5 ; v2(206.4,160.01) 208.39,162 U8#23.37 ; v2(204,158.01) 203.8,158.21 P1#19.5 ; v2(280.4,160.01) 282.39,162 U8#27.37 ; v2(278,158.01) 277.8,158.21 P1#25.5 ; v2(243.4,160.01) 245.39,162 U8#26.37 ; v2(241,158.01) 240.8,158.21 P1#26.5 ; v2(206.4,226.01) 208.39,228 U8#30.37 ; v2(204,224.01) 203.8,224.21 P1#27.5 ; v2(280.4,226.01) 282.39,228 U8#32.37 ; v2(243.4,226.01) 245.39,228 U8#31.37 ; v2(241,224.01) 240.8,224.21 P1#32.5 ; v2(278,224.01) 277.8,224.21 P1#31.5 ; P1.5 18.8,26.21 v2(19,26.01) ; U8.37 23.39,30 v2(21.4,28.01)
  Bottom w0.2: v2(56,26.01) 56,26.63 56.78,27.41 57.8,27.41 v2(58.4,28.01) ; v2(93,26.01) 93,26.63 93.78,27.41 94.8,27.41 v2(95.4,28.01) ; v2(130,26.01) 130,26.63 130.78,27.41 131.8,27.41 v2(132.4,28.01) ; v2(167,26.01) 167,26.63 167.78,27.41 168.8,27.41 v2(169.4,28.01) ; v2(204,26.01) 204,26.63 204.78,27.41 205.8,27.41 v2(206.4,28.01) ; v2(241,26.01) 241,26.63 241.78,27.41 242.8,27.41 v2(243.4,28.01) ; v2(278,26.01) 278,26.63 278.78,27.41 279.8,27.41 v2(280.4,28.01) ; v2(19,92.01) 19,92.63 19.78,93.41 20.8,93.41 v2(21.4,94.01) ; v2(93,92.01) 93,92.63 93.78,93.41 94.8,93.41 v2(95.4,94.01) ; v2(56,92.01) 56,92.63 56.78,93.41 57.8,93.41 v2(58.4,94.01) ; v2(130,92.01) 130,92.63 130.78,93.41 131.8,93.41 v2(132.4,94.01) ; v2(167,92.01) 167,92.63 167.78,93.41 168.8,93.41 v2(169.4,94.01) ; v2(204,92.01) 204,92.63 204.78,93.41 205.8,93.41 v2(206.4,94.01) ; v2(278,92.01) 278,92.63 278.78,93.41 279.8,93.41 v2(280.4,94.01) ; v2(241,92.01) 241,92.63 241.78,93.41 242.8,93.41 v2(243.4,94.01) ; v2(19,224.01) 19,224.63 19.78,225.41 20.8,225.41 v2(21.4,226.01) ; v2(93,224.01) 93,224.63 93.78,225.41 94.8,225.41 v2(95.4,226.01) ; v2(56,224.01) 56,224.63 56.78,225.41 57.8,225.41 v2(58.4,226.01) ; v2(130,224.01) 130,224.63 130.78,225.41 131.8,225.41 v2(132.4,226.01) ; v2(167,224.01) 167,224.63 167.78,225.41 168.8,225.41 v2(169.4,226.01) ; v2(19,158.01) 19,158.63 19.78,159.41 20.8,159.41 v2(21.4,160.01) ; v2(93,158.01) 93,158.63 93.78,159.41 94.8,159.41 v2(95.4,160.01) ; v2(56,158.01) 56,158.63 56.78,159.41 57.8,159.41 v2(58.4,160.01) ; v2(130,158.01) 130,158.63 130.78,159.41 131.8,159.41 v2(132.4,160.01) ; v2(167,158.01) 167,158.63 167.78,159.41 168.8,159.41 v2(169.4,160.01) ; v2(204,158.01) 204,158.63 204.78,159.41 205.8,159.41 v2(206.4,160.01) ; v2(278,158.01) 278,158.63 278.78,159.41 279.8,159.41 v2(280.4,160.01) ; v2(241,158.01) 241,158.63 241.78,159.41 242.8,159.41 v2(243.4,160.01) ; v2(204,224.01) 204,224.63 204.78,225.41 205.8,225.41 v2(206.4,226.01) ; v2(241,224.01) 241,224.63 241.78,225.41 242.8,225.41 v2(243.4,226.01) ; v2(278,224.01) 278,224.63 278.78,225.41 279.8,225.41 v2(280.4,226.01) ; v2(19,26.01) 19,26.63 19.78,27.41 20.8,27.41 v2(21.4,28.01)
/SWDIO: length 327.9
  Top w0.2: U8#2.34 56.36,34.76 54.4,32.8 54.4,32.61 v2(54.3,32.51) ; P1#2.4 54.4,28.21 v2(54.4,31.31) ; U8#4.34 93.36,34.76 91.4,32.8 91.4,32.61 v2(91.3,32.51) ; P1#4.4 91.4,28.21 v2(91.4,31.31) ; U8#3.34 130.36,34.76 128.4,32.8 128.4,32.61 v2(128.3,32.51) ; P1#3.4 128.4,28.21 v2(128.4,31.31) ; U8#6.34 167.36,34.76 165.4,32.8 165.4,32.61 v2(165.3,32.51) ; P1#6.4 165.4,28.21 v2(165.4,31.31) ; U8#5.34 204.36,34.76 202.4,32.8 202.4,32.61 v2(202.3,32.51) ; P1#5.4 202.4,28.21 v2(202.4,31.31) ; U8#7.34 241.36,34.76 239.4,32.8 239.4,32.61 v2(239.3,32.51) ; P1#8.4 239.4,28.21 v2(239.4,31.31) ; U8#8.34 278.36,34.76 276.4,32.8 276.4,32.61 v2(276.3,32.51) ; P1#7.4 276.4,28.21 v2(276.4,31.31) ; U8#11.34 19.36,100.76 17.4,98.8 17.4,98.61 v2(17.3,98.51) ; P1#10.4 17.4,94.21 v2(17.4,97.31) ; U8#13.34 93.36,100.76 91.4,98.8 91.4,98.61 v2(91.3,98.51) ; P1#14.4 91.4,94.21 v2(91.4,97.31) ; U8#9.34 56.36,100.76 54.4,98.8 54.4,98.61 v2(54.3,98.51) ; P1#9.4 54.4,94.21 v2(54.4,97.31) ; U8#10.34 130.36,100.76 128.4,98.8 128.4,98.61 v2(128.3,98.51) ; P1#13.4 128.4,94.21 v2(128.4,97.31) ; U8#12.34 167.36,100.76 165.4,98.8 165.4,98.61 v2(165.3,98.51) ; P1#12.4 165.4,94.21 v2(165.4,97.31) ; U8#14.34 204.36,100.76 202.4,98.8 202.4,98.61 v2(202.3,98.51) ; P1#11.4 202.4,94.21 v2(202.4,97.31) ; U8#16.34 278.36,100.76 276.4,98.8 276.4,98.61 v2(276.3,98.51) ; P1#15.4 276.4,94.21 v2(276.4,97.31) ; U8#15.34 241.36,100.76 239.4,98.8 239.4,98.61 v2(239.3,98.51) ; P1#16.4 239.4,94.21 v2(239.4,97.31) ; U8#25.34 19.36,232.76 17.4,230.8 17.4,230.61 v2(17.3,230.51) ; P1#24.4 17.4,226.21 v2(17.4,229.31) ; U8#29.34 93.36,232.76 91.4,230.8 91.4,230.61 v2(91.3,230.51) ; P1#30.4 91.4,226.21 v2(91.4,229.31) ; U8#21.34 56.36,232.76 54.4,230.8 54.4,230.61 v2(54.3,230.51) ; P1#23.4 54.4,226.21 v2(54.4,229.31) ; U8#24.34 130.36,232.76 128.4,230.8 128.4,230.61 v2(128.3,230.51) ; P1#29.4 128.4,226.21 v2(128.4,229.31) ; U8#28.34 167.36,232.76 165.4,230.8 165.4,230.61 v2(165.3,230.51) ; P1#28.4 165.4,226.21 v2(165.4,229.31) ; U8#19.34 19.36,166.76 17.4,164.8 17.4,164.61 v2(17.3,164.51) ; P1#18.4 17.4,160.21 v2(17.4,163.31) ; U8#22.34 93.36,166.76 91.4,164.8 91.4,164.61 v2(91.3,164.51) ; P1#22.4 91.4,160.21 v2(91.4,163.31) ; U8#17.34 56.36,166.76 54.4,164.8 54.4,164.61 v2(54.3,164.51) ; P1#17.4 54.4,160.21 v2(54.4,163.31) ; U8#18.34 130.36,166.76 128.4,164.8 128.4,164.61 v2(128.3,164.51) ; P1#21.4 128.4,160.21 v2(128.4,163.31) ; U8#20.34 167.36,166.76 165.4,164.8 165.4,164.61 v2(165.3,164.51) ; P1#20.4 165.4,160.21 v2(165.4,163.31) ; U8#23.34 204.36,166.76 202.4,164.8 202.4,164.61 v2(202.3,164.51) ; P1#19.4 202.4,160.21 v2(202.4,163.31) ; U8#27.34 278.36,166.76 276.4,164.8 276.4,164.61 v2(276.3,164.51) ; P1#25.4 276.4,160.21 v2(276.4,163.31) ; U8#26.34 241.36,166.76 239.4,164.8 239.4,164.61 v2(239.3,164.51) ; P1#26.4 239.4,160.21 v2(239.4,163.31) ; U8#30.34 204.36,232.76 202.4,230.8 202.4,230.61 v2(202.3,230.51) ; P1#27.4 202.4,226.21 v2(202.4,229.31) ; U8#31.34 241.36,232.76 239.4,230.8 239.4,230.61 v2(239.3,230.51) ; P1#32.4 239.4,226.21 v2(239.4,229.31) ; U8#32.34 278.36,232.76 276.4,230.8 276.4,230.61 v2(276.3,230.51) ; P1#31.4 276.4,226.21 v2(276.4,229.31) ; U8.34 19.36,34.76 17.4,32.8 17.4,32.61 v2(17.3,32.51) ; v2(17.4,31.31) 17.4,28.21 P1.4
  Bottom w0.2: v2(54.4,31.31) 54.3,31.41 v2(54.3,32.51) ; v2(91.4,31.31) 91.3,31.41 v2(91.3,32.51) ; v2(128.4,31.31) 128.3,31.41 v2(128.3,32.51) ; v2(165.4,31.31) 165.3,31.41 v2(165.3,32.51) ; v2(202.4,31.31) 202.3,31.41 v2(202.3,32.51) ; v2(239.4,31.31) 239.3,31.41 v2(239.3,32.51) ; v2(276.4,31.31) 276.3,31.41 v2(276.3,32.51) ; v2(17.4,97.31) 17.3,97.41 v2(17.3,98.51) ; v2(91.4,97.31) 91.3,97.41 v2(91.3,98.51) ; v2(54.4,97.31) 54.3,97.41 v2(54.3,98.51) ; v2(128.4,97.31) 128.3,97.41 v2(128.3,98.51) ; v2(165.4,97.31) 165.3,97.41 v2(165.3,98.51) ; v2(202.4,97.31) 202.3,97.41 v2(202.3,98.51) ; v2(276.4,97.31) 276.3,97.41 v2(276.3,98.51) ; v2(239.4,97.31) 239.3,97.41 v2(239.3,98.51) ; v2(17.4,229.31) 17.3,229.41 v2(17.3,230.51) ; v2(91.4,229.31) 91.3,229.41 v2(91.3,230.51) ; v2(54.4,229.31) 54.3,229.41 v2(54.3,230.51) ; v2(128.4,229.31) 128.3,229.41 v2(128.3,230.51) ; v2(165.4,229.31) 165.3,229.41 v2(165.3,230.51) ; v2(17.4,163.31) 17.3,163.41 v2(17.3,164.51) ; v2(91.4,163.31) 91.3,163.41 v2(91.3,164.51) ; v2(54.4,163.31) 54.3,163.41 v2(54.3,164.51) ; v2(128.4,163.31) 128.3,163.41 v2(128.3,164.51) ; v2(165.4,163.31) 165.3,163.41 v2(165.3,164.51) ; v2(202.4,163.31) 202.3,163.41 v2(202.3,164.51) ; v2(276.4,163.31) 276.3,163.41 v2(276.3,164.51) ; v2(239.4,163.31) 239.3,163.41 v2(239.3,164.51) ; v2(202.4,229.31) 202.3,229.41 v2(202.3,230.51) ; v2(239.4,229.31) 239.3,229.41 v2(239.3,230.51) ; v2(276.4,229.31) 276.3,229.41 v2(276.3,230.51) ; v2(17.4,31.31) 17.3,31.41 v2(17.3,32.51)